# KiCad board oresat-backplane-1u.kicad_pcb
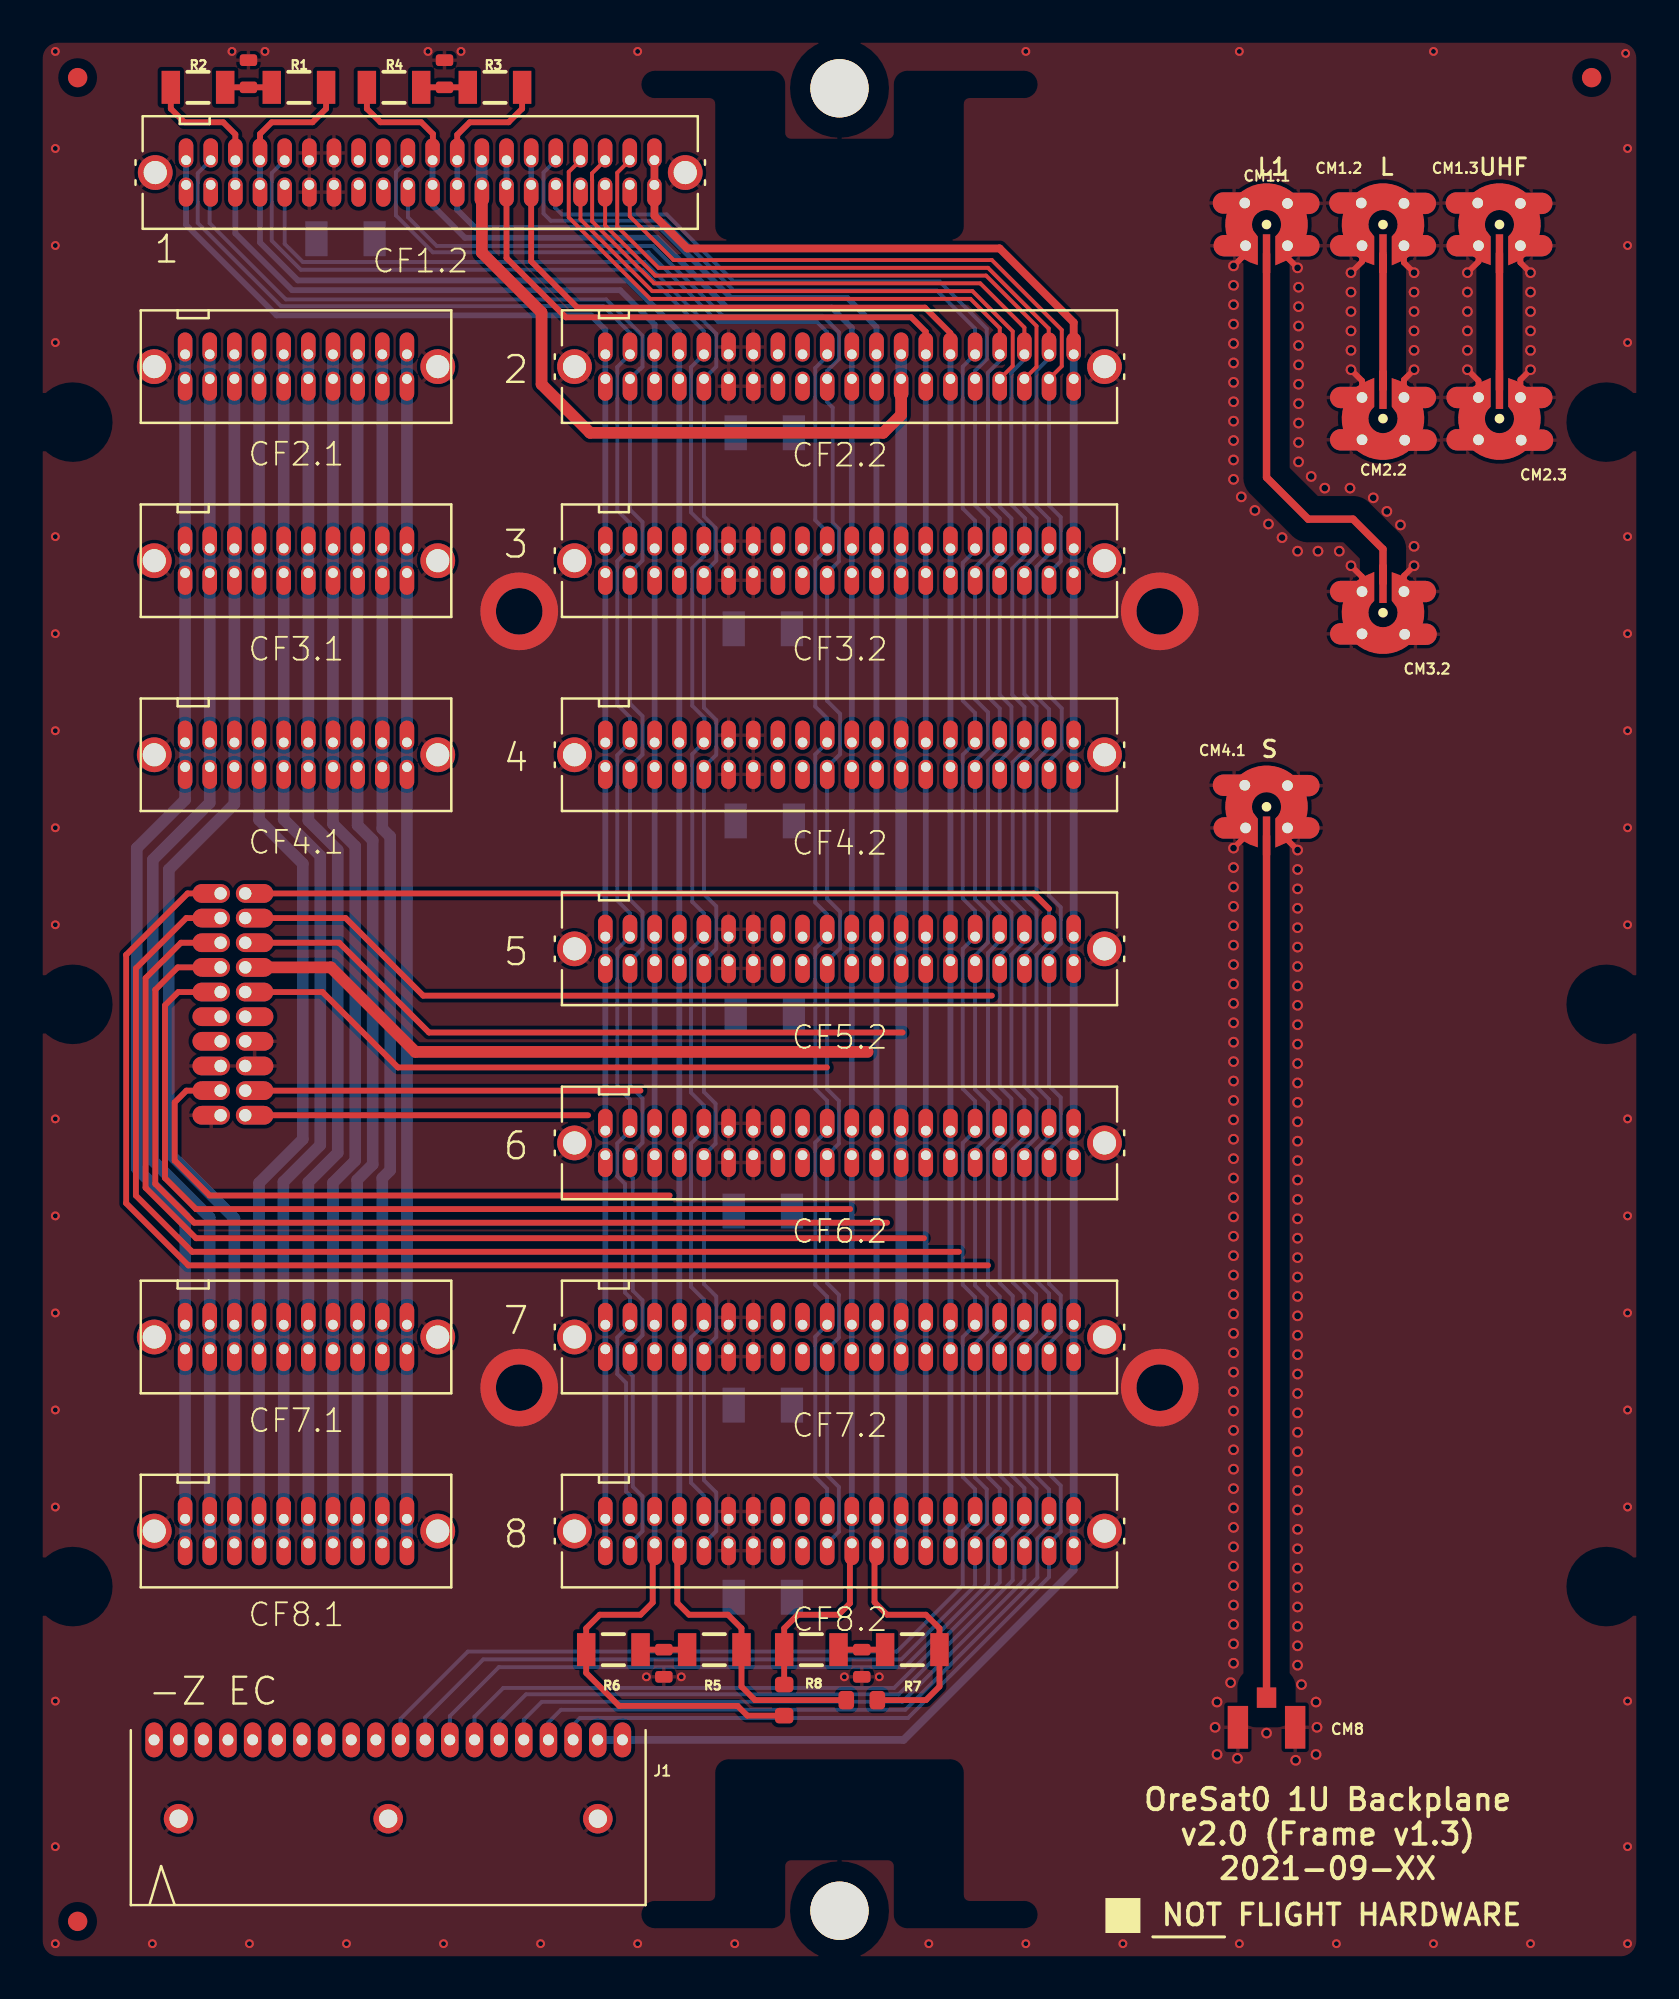
[diagram p0: board, top side]
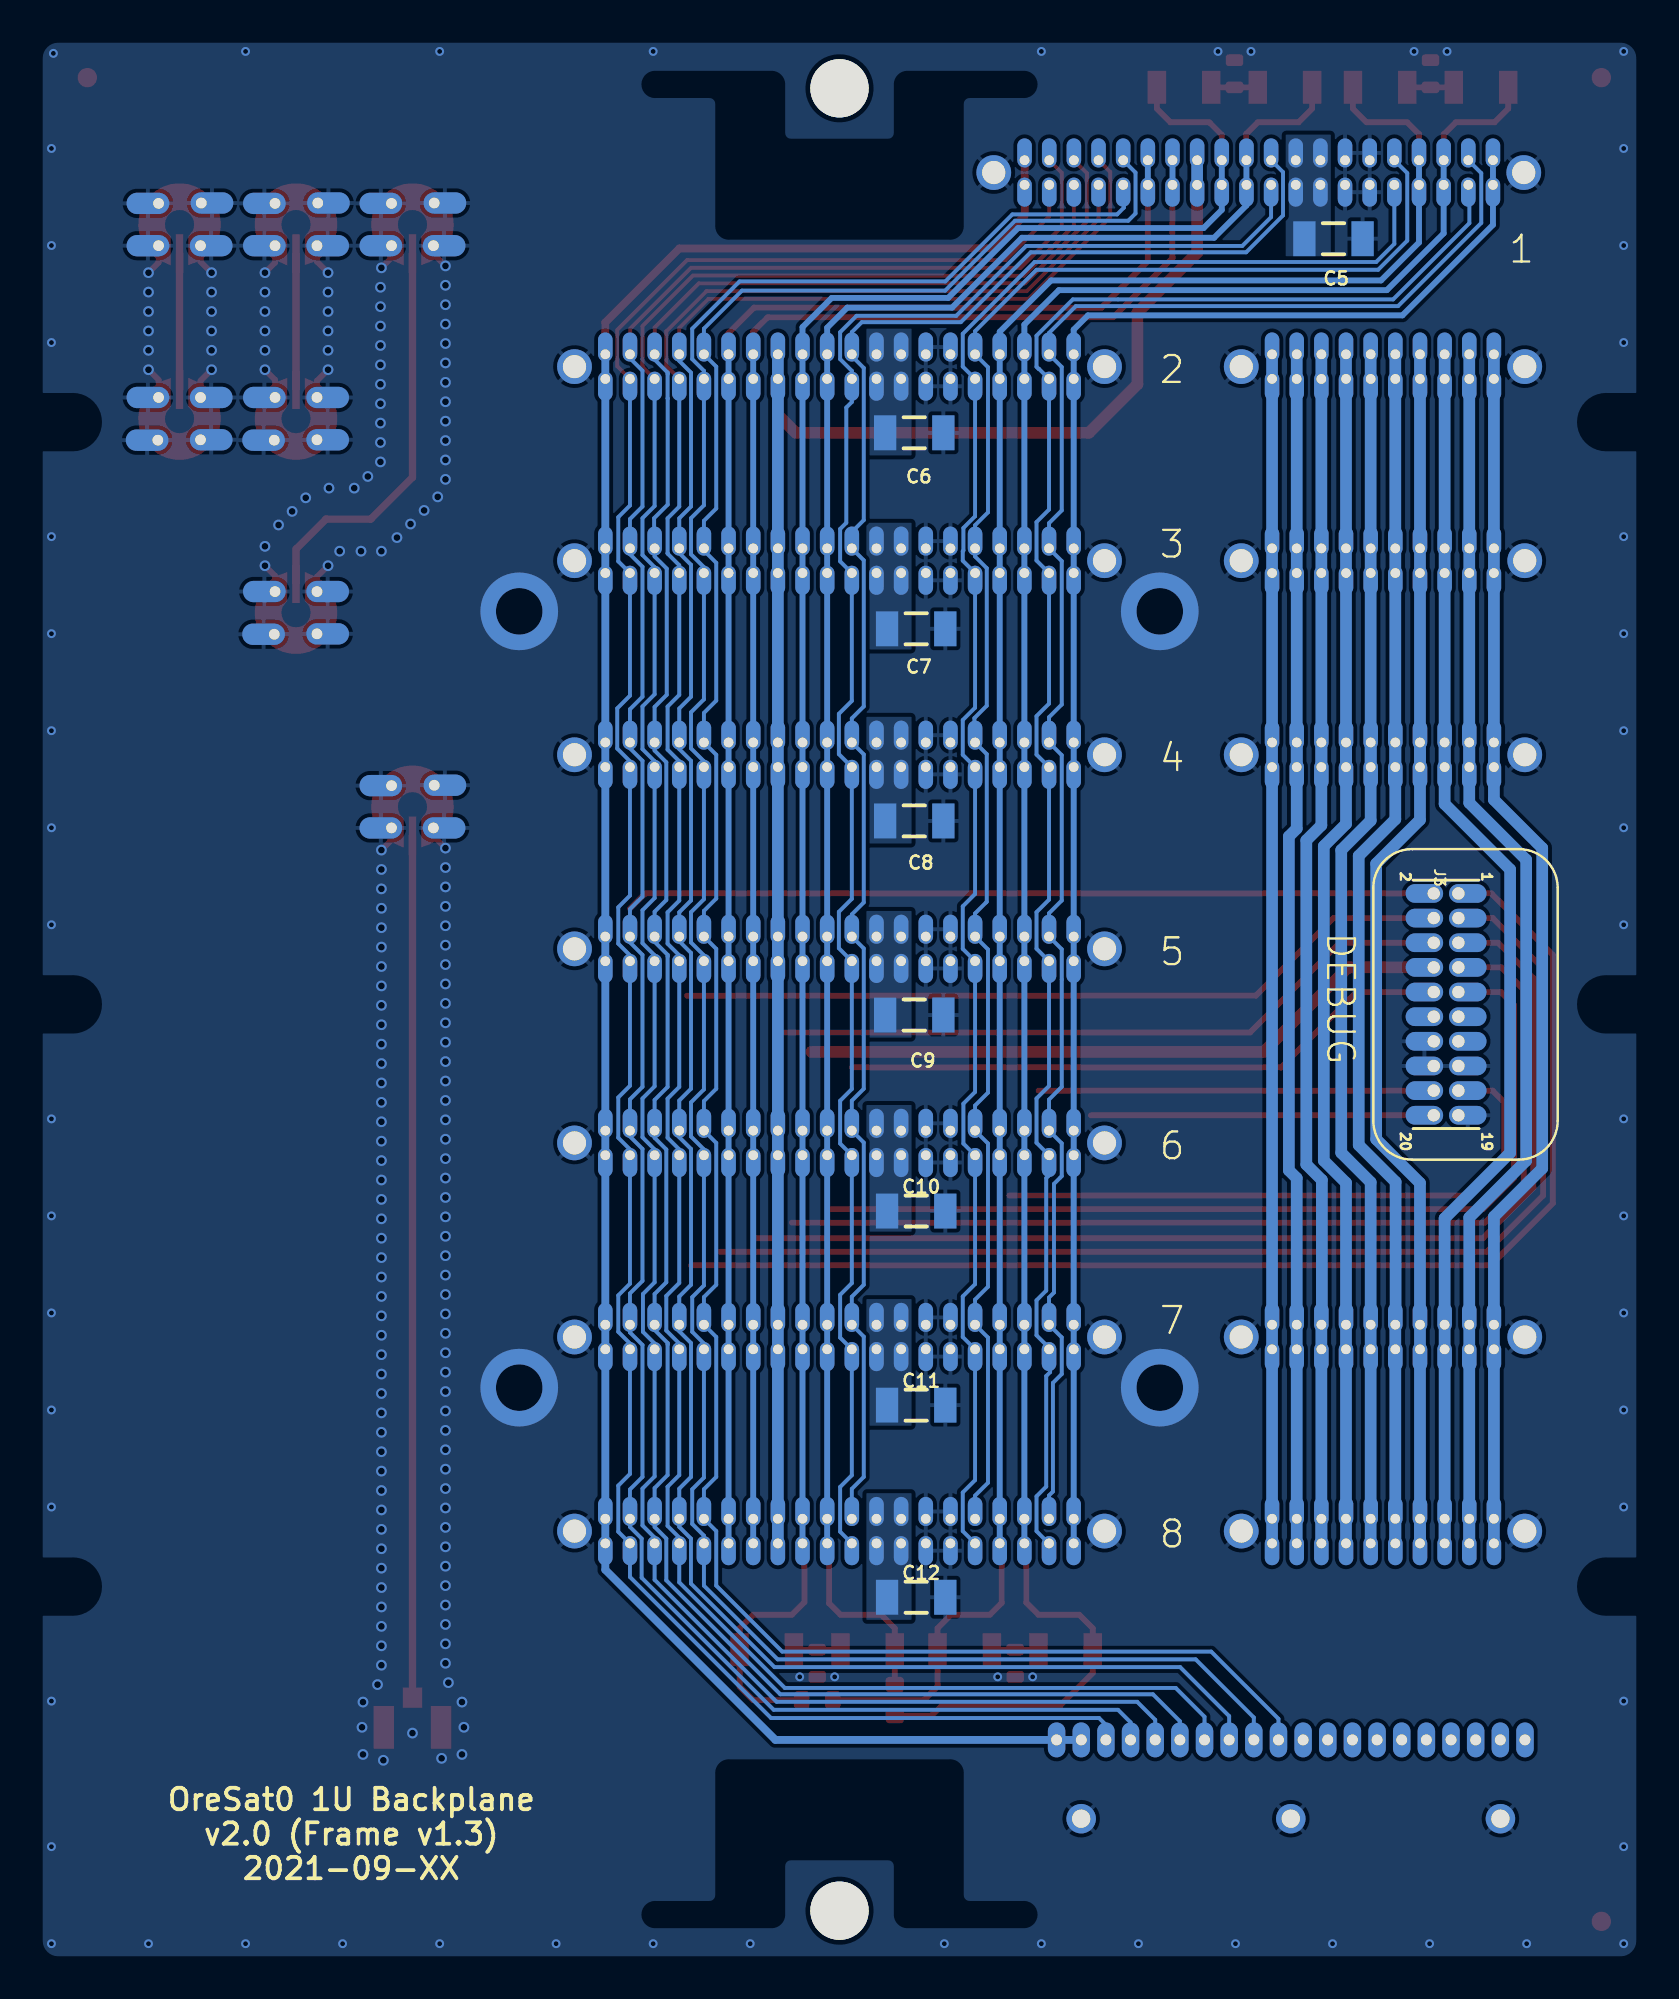
[diagram p1: board, bottom side, seen from below]

Outline 82.5 x 99 mm; copper layers: Top, In1.Cu, In2.Cu, Bottom. Coordinates in mm from the lower left corner of the outline.
Outline path: 0,98 0,80.55 1.75,80.55 arc(3.05,79.25) 1.75,77.95 0,77.95 0,50.55 1.75,50.55 arc(3.05,49.25) 1.75,47.95 0,47.95 0,20.55 1.75,20.55 arc(3.05,19.25) 1.75,17.95 0,17.95 0,1 arc(0.29,0.29) 1,0 81.5,0 arc(82.21,0.29) 82.5,1 82.5,17.95 80.75,17.95 arc(79.45,19.25) 80.75,20.55 82.5,20.55 82.5,47.95 80.75,47.95 arc(79.45,49.25) 80.75,50.55 82.5,50.55 82.5,77.95 80.75,77.95 arc(79.45,79.25) 80.75,80.55 82.5,80.55 82.5,98 arc(82.21,98.71) 81.5,99 1,99 arc(0.29,98.71) 0,98 ; 31.75,96.15 arc(31.25,96.65) 31.75,97.15 37.75,97.15 arc(38.1,97) 38.25,96.65 38.25,94.15 arc(38.4,93.8) 38.75,93.65 43.75,93.65 arc(44.1,93.8) 44.25,94.15 44.25,96.65 arc(44.4,97) 44.75,97.15 50.75,97.15 arc(51.25,96.65) 50.75,96.15 47.95,96.15 arc(47.6,96) 47.45,95.65 47.45,89.35 arc(47.3,89) 46.95,88.85 35.55,88.85 arc(35.2,89) 35.05,89.35 35.05,95.65 arc(34.9,96) 34.55,96.15 31.75,96.15 ; 31.75,2.85 34.55,2.85 arc(34.9,3) 35.05,3.35 35.05,9.65 arc(35.2,10) 35.55,10.15 46.95,10.15 arc(47.3,10) 47.45,9.65 47.45,3.35 arc(47.6,3) 47.95,2.85 50.75,2.85 arc(51.25,2.35) 50.75,1.85 44.75,1.85 arc(44.4,2) 44.25,2.35 44.25,4.85 arc(44.1,5.2) 43.75,5.35 38.75,5.35 arc(38.4,5.2) 38.25,4.85 38.25,2.35 arc(38.1,2) 37.75,1.85 31.75,1.85 arc(31.25,2.35) 31.75,2.85
Stack: Top 0.035mm / dielectric 0.48mm FR4 er 4.5 / In1.Cu 0.035mm / dielectric 0.48mm FR4 er 4.5 / In2.Cu 0.035mm / dielectric 0.48mm FR4 er 4.5 / Bottom 0.035mm

## Placement (name value [footprint] x y rotation side)
@HOLE0  -  [unnamed]  41.25 2.55 0 top
@HOLE1  -  [unnamed]  41.25 96.45 0 top
C1  1n  [.0603-C-NOSILK]  10.8 97.2 90 top
C2  1n  [.0603-C-NOSILK]  20.9 97.2 90 top
C3  1n  [.0603-C-NOSILK]  32.2 15.3 270 top
C4  1n  [.0603-C-NOSILK]  42.4 15.3 270 top
C5  -  [1206-B]  15.8 88.7 180 bottom
C6  -  [1206-B]  37.4 78.7 180 bottom
C7  -  [1206-B]  37.3 68.6 180 bottom
C8  -  [1206-B]  37.4 58.7 180 bottom
C9  -  [1206-B]  37.4 48.7 180 bottom
C10  -  [1206-B]  37.3 38.6 180 bottom
C11  -  [1206-B]  37.3 28.6 180 bottom
C12  -  [1206-B]  37.3 18.7 180 bottom
CF1.2  -  [SFM-120-X1-XXX-D]  19.65 92.11 0 top
CF2.1  -  [SFM-110-X1-XXX-D-LC]  13.25 82.11 0 top
CF2.2  -  [SFM-120-X1-XXX-D]  41.25 82.11 0 top
CF3.1  -  [SFM-110-X1-XXX-D-LC]  13.25 72.11 0 top
CF3.2  -  [SFM-120-X1-XXX-D]  41.25 72.11 0 top
CF4.1  -  [SFM-110-X1-XXX-D-LC]  13.25 62.11 0 top
CF4.2  -  [SFM-120-X1-XXX-D]  41.25 62.11 0 top
CF5.2  -  [SFM-120-X1-XXX-D]  41.25 52.11 0 top
CF6.2  -  [SFM-120-X1-XXX-D]  41.25 42.11 0 top
CF7.1  -  [SFM-110-X1-XXX-D-LC]  13.25 32.11 0 top
CF7.2  -  [SFM-120-X1-XXX-D]  41.25 32.11 0 top
CF8.1  -  [SFM-110-X1-XXX-D-LC]  13.25 22.11 0 top
CF8.2  -  [SFM-120-X1-XXX-D]  41.25 22.11 0 top
CM1.1  -  [J-MOLEX-SMPM-73300-0111X]  63.25 89.43 180 top
CM1.2  -  [J-MOLEX-SMPM-73300-0111X]  69.25 89.43 180 top
CM1.3  -  [J-MOLEX-SMPM-73300-0111X]  75.25 89.43 180 top
CM2.2  -  [J-MOLEX-SMPM-73300-0111X]  69.25 79.43 0 top
CM2.3  -  [J-MOLEX-SMPM-73300-0111X]  75.25 79.43 0 top
CM3.2  -  [J-MOLEX-SMPM-73300-0111X]  69.25 69.43 0 top
CM4.1  -  [J-MOLEX-SMPM-73300-0111X]  63.25 59.43 180 top
CM8  U.FL-R-SMA  [U.FL-R-SMT]  63.25 12 0 top
FIDUCIAL1  -  [FIDUCIAL-1.0X2.0]  80 97 0 top
FIDUCIAL2  -  [FIDUCIAL-1.0X2.0]  2 97 0 top
FIDUCIAL3  -  [FIDUCIAL-1.0X2.0]  2 2 0 top
J1  -  [5-104196-5]  18 11.35 0 top
J3  -  [HARWIN-M50-3501042]  10 49.25 270 bottom
R1  60.4  [1206-C]  13.4 96.5 180 top
R2  60.4  [1206-C]  8.2 96.5 0 top
R3  60.4  [1206-C]  23.5 96.5 180 top
R4  60.4  [1206-C]  18.3 96.5 0 top
R5  60.4  [1206-C]  34.8 16 180 top
R6  60.4  [1206-C]  29.6 16 0 top
R7  60.4  [1206-C]  45 16 180 top
R8  60.4  [1206-C]  39.8 16 0 top
R9  -  [.0603-B-NOSILK]  38.4 13.4 90 top
R10  -  [.0603-B-NOSILK]  42.4 13.4 0 top
U$1  FLIGHMARKERNEW  [FLIGHTMARKER_NEW_BOARDS]  55.2 1.7 0 top

## Footprints (pads in the part's own frame, mm; a bottom-side part is the same pattern mirrored in y, then rotated)
5-104196-5
  oval 0.9x1.8 hole 0.56: 1(-12.065,0) 2(-10.795,0) 3(-9.525,0) 4(-8.255,0) 5(-6.985,0) 6(-5.715,0) 7(-4.445,0) 8(-3.175,0) 9(-1.905,0) 10(-0.635,0) 11(0.635,0) 12(1.905,0) 13(3.175,0) 14(4.445,0) 15(5.715,0) 16(6.985,0) 17(8.255,0) 18(9.525,0) 19(10.795,0) 20(12.065,0)
  round 1.52 hole 0.94: HD1(-10.8,-4.06) HD2(0,-4.06) HD3(10.8,-4.06)
1206-B
  rect 1.15x1.8 smd: 1(-1.5,0) 2(1.5,0)
1206-C
  rect 0.95x1.7 smd: 1(-1.4,0) 2(1.4,0)
.0603-B-NOSILK
  rrect 0.8x0.95 smd: 1(-0.8,0) 2(0.8,0)
.0603-C-NOSILK
  rrect 0.6x0.9 smd: 1(-0.7,0) 2(0.7,0)
FIDUCIAL-1.0X2.0
  rrect 1x1 smd: FIDUCIAL(0,0)
HARWIN-M50-3501042
  oval 0.965x1.93 hole 0.635: 1(-5.715,0.635) 2(-5.715,-0.635) 3(-4.445,0.635) 4(-4.445,-0.635) 5(-3.175,0.635) 6(-3.175,-0.635) 7(-1.905,0.635) 8(-1.905,-0.635) 9(-0.635,0.635) 10(-0.635,-0.635) 11(0.635,0.635) 12(0.635,-0.635) 13(1.905,0.635) 14(1.905,-0.635) 15(3.175,0.635) 16(3.175,-0.635) 17(4.445,0.635) 18(4.445,-0.635) 19(5.715,0.635) 20(5.715,-0.635)
J-MOLEX-SMPM-73300-0111X
  oval 2.2x1.1 hole 0.55: P$1(-1.08,-1.09) P$2(1.12,-1.11) P$3(1.08,1.09) P$4(-1.08,1.09)
  rect 0.38x2 smd: RF-DOWN(0,1.5)
SFM-110-X1-XXX-D-LC
  oval 0.75x1.5 hole 0.5: 1(5.715,-0.635) 2(5.715,0.635) 3(4.445,-0.635) 4(4.445,0.635) 5(3.175,-0.635) 6(3.175,0.635) 7(1.905,-0.635) 8(1.905,0.635) 9(0.635,-0.635) 10(0.635,0.635) 11(-0.635,-0.635) 12(-0.635,0.635) 13(-1.905,-0.635) 14(-1.905,0.635) 15(-3.175,-0.635) 16(-3.175,0.635) 17(-4.445,-0.635) 18(-4.445,0.635) 19(-5.715,-0.635) 20(-5.715,0.635)
  round 1.791 hole 1.194: LC1(7.303,0) LC2(-7.303,0)
SFM-120-X1-XXX-D
  oval 0.75x1.5 hole 0.5: 1(12.065,-0.635) 2(12.065,0.635) 3(10.795,-0.635) 4(10.795,0.635) 5(9.525,-0.635) 6(9.525,0.635) 7(8.255,-0.635) 8(8.255,0.635) 9(6.985,-0.635) 10(6.985,0.635) 11(5.715,-0.635) 12(5.715,0.635) 13(4.445,-0.635) 14(4.445,0.635) 15(3.175,-0.635) 16(3.175,0.635) 17(1.905,-0.635) 18(1.905,0.635) 19(0.635,-0.635) 20(0.635,0.635) 21(-0.635,-0.635) 22(-0.635,0.635) 23(-1.905,-0.635) 24(-1.905,0.635) 25(-3.175,-0.635) 26(-3.175,0.635) 27(-4.445,-0.635) 28(-4.445,0.635) 29(-5.715,-0.635) 30(-5.715,0.635) 31(-6.985,-0.635) 32(-6.985,0.635) 33(-8.255,-0.635) 34(-8.255,0.635) 35(-9.525,-0.635) 36(-9.525,0.635) 37(-10.795,-0.635) 38(-10.795,0.635) 39(-12.065,-0.635) 40(-12.065,0.635)
  round 1.791 hole 1.194: LC1(13.652,0) LC2(-13.652,0)
U.FL-R-SMT
  rect 1x1.05 smd: 1(0,1.525)
  rect 1.05x2.2 smd: 2(-1.475,0) 3(1.475,0)
unnamed
  round 3 hole 3 unplated: (0,0)

## Nets
GND: C1.2 C2.2 C3.2 C4.2 C5.2 C6.2 C7.2 C8.2 C9.2 C10.2 C11.2 C12.2 CF1.2.27 CF1.2.28 CF1.2.29 CF1.2.30 CF1.2.LC1 CF1.2.LC2 CF2.1.LC1 CF2.1.LC2 CF2.2.27 CF2.2.28 CF2.2.29 CF2.2.30 CF2.2.LC1 CF2.2.LC2 CF3.1.LC1 CF3.1.LC2 CF3.2.27 CF3.2.28 CF3.2.29 CF3.2.30 CF3.2.LC1 CF3.2.LC2 CF4.1.LC1 CF4.1.LC2 CF4.2.27 CF4.2.28 CF4.2.29 CF4.2.30 CF4.2.LC1 CF4.2.LC2 CF5.2.27 CF5.2.28 CF5.2.29 CF5.2.30 CF5.2.LC1 CF5.2.LC2 CF6.2.27 CF6.2.28 CF6.2.29 CF6.2.30 CF6.2.LC1 CF6.2.LC2 CF7.1.LC1 CF7.1.LC2 CF7.2.27 CF7.2.28 CF7.2.29 CF7.2.30 CF7.2.LC1 CF7.2.LC2 CF8.1.LC1 CF8.1.LC2 CF8.2.27 CF8.2.28 CF8.2.29 CF8.2.30 CF8.2.LC1 CF8.2.LC2 CM1.1.P$1 CM1.1.P$2 CM1.1.P$3 CM1.1.P$4 CM1.2.P$1 CM1.2.P$2 CM1.2.P$3 CM1.2.P$4 CM1.3.P$1 CM1.3.P$2 CM1.3.P$3 CM1.3.P$4 CM2.2.P$1 CM2.2.P$2 CM2.2.P$3 CM2.2.P$4 CM2.3.P$1 CM2.3.P$2 CM2.3.P$3 CM2.3.P$4 CM3.2.P$1 CM3.2.P$2 CM3.2.P$3 CM3.2.P$4 CM4.1.P$1 CM4.1.P$2 CM4.1.P$3 CM4.1.P$4 CM8.2 CM8.3 J1.HD1 J1.HD2 J1.HD3 J3.14 J3.15 J3.16 J3.19
VBUS: C5.1 C6.1 C7.1 C8.1 C9.1 C10.1 C11.1 C12.1 CF1.2.23 CF1.2.24 CF1.2.25 CF1.2.26 CF2.2.23 CF2.2.24 CF2.2.25 CF2.2.26 CF3.2.23 CF3.2.24 CF3.2.25 CF3.2.26 CF4.2.23 CF4.2.24 CF4.2.25 CF4.2.26 CF5.2.23 CF5.2.24 CF5.2.25 CF5.2.26 CF6.2.23 CF6.2.24 CF6.2.25 CF6.2.26 CF7.2.23 CF7.2.24 CF7.2.25 CF7.2.26 CF8.2.23 CF8.2.24 CF8.2.25 CF8.2.26 J3.11 J3.12 J3.13
AUX-1: CF2.1.1 CF2.1.2 CF3.1.1 CF3.1.2 CF4.1.1 CF4.1.2 CF7.1.1 CF7.1.2 CF8.1.1 CF8.1.2
AUX-2: CF2.1.3 CF2.1.4 CF3.1.3 CF3.1.4 CF4.1.3 CF4.1.4 CF7.1.3 CF7.1.4 CF8.1.3 CF8.1.4
AUX-3: CF2.1.5 CF2.1.6 CF3.1.5 CF3.1.6 CF4.1.5 CF4.1.6 CF7.1.5 CF7.1.6 CF8.1.5 CF8.1.6
AUX-4: CF2.1.7 CF2.1.8 CF3.1.7 CF3.1.8 CF4.1.7 CF4.1.8 CF7.1.7 CF7.1.8 CF8.1.7 CF8.1.8
AUX-5: CF2.1.9 CF2.1.10 CF3.1.9 CF3.1.10 CF4.1.9 CF4.1.10 CF7.1.9 CF7.1.10 CF8.1.9 CF8.1.10
AUX-6: CF2.1.11 CF2.1.12 CF3.1.11 CF3.1.12 CF4.1.11 CF4.1.12 CF7.1.11 CF7.1.12 CF8.1.11 CF8.1.12
AUX-7: CF2.1.13 CF2.1.14 CF3.1.13 CF3.1.14 CF4.1.13 CF4.1.14 CF7.1.13 CF7.1.14 CF8.1.13 CF8.1.14
AUX-8: CF2.1.15 CF2.1.16 CF3.1.15 CF3.1.16 CF4.1.15 CF4.1.16 CF7.1.15 CF7.1.16 CF8.1.15 CF8.1.16
AUX-9: CF2.1.17 CF2.1.18 CF3.1.17 CF3.1.18 CF4.1.17 CF4.1.18 CF7.1.17 CF7.1.18 CF8.1.17 CF8.1.18
AUX-10: CF2.1.19 CF2.1.20 CF3.1.19 CF3.1.20 CF4.1.19 CF4.1.20 CF7.1.19 CF7.1.20 CF8.1.19 CF8.1.20
CAN1_H: CF1.2.33 CF1.2.34 CF2.2.33 CF2.2.34 CF3.2.33 CF3.2.34 CF4.2.33 CF4.2.34 CF5.2.33 CF5.2.34 CF6.2.33 CF6.2.34 CF7.2.33 CF7.2.34 CF8.2.33 CF8.2.34 J3.17 R1.1 R5.1 R10.1
CAN1_L: CF1.2.35 CF1.2.36 CF2.2.35 CF2.2.36 CF3.2.35 CF3.2.36 CF4.2.35 CF4.2.36 CF5.2.35 CF5.2.36 CF6.2.35 CF6.2.36 CF7.2.35 CF7.2.36 CF8.2.35 CF8.2.36 J3.18 R2.1 R6.1 R9.1
CAN2_H: CF1.2.17 CF1.2.18 CF2.2.17 CF2.2.18 CF3.2.17 CF3.2.18 CF4.2.17 CF4.2.18 CF5.2.17 CF5.2.18 CF6.2.17 CF6.2.18 CF7.2.17 CF7.2.18 CF8.2.17 CF8.2.18 J3.9 R3.1 R7.1 R10.2